# KiCad board cyclic.kicad_pcb (continued)
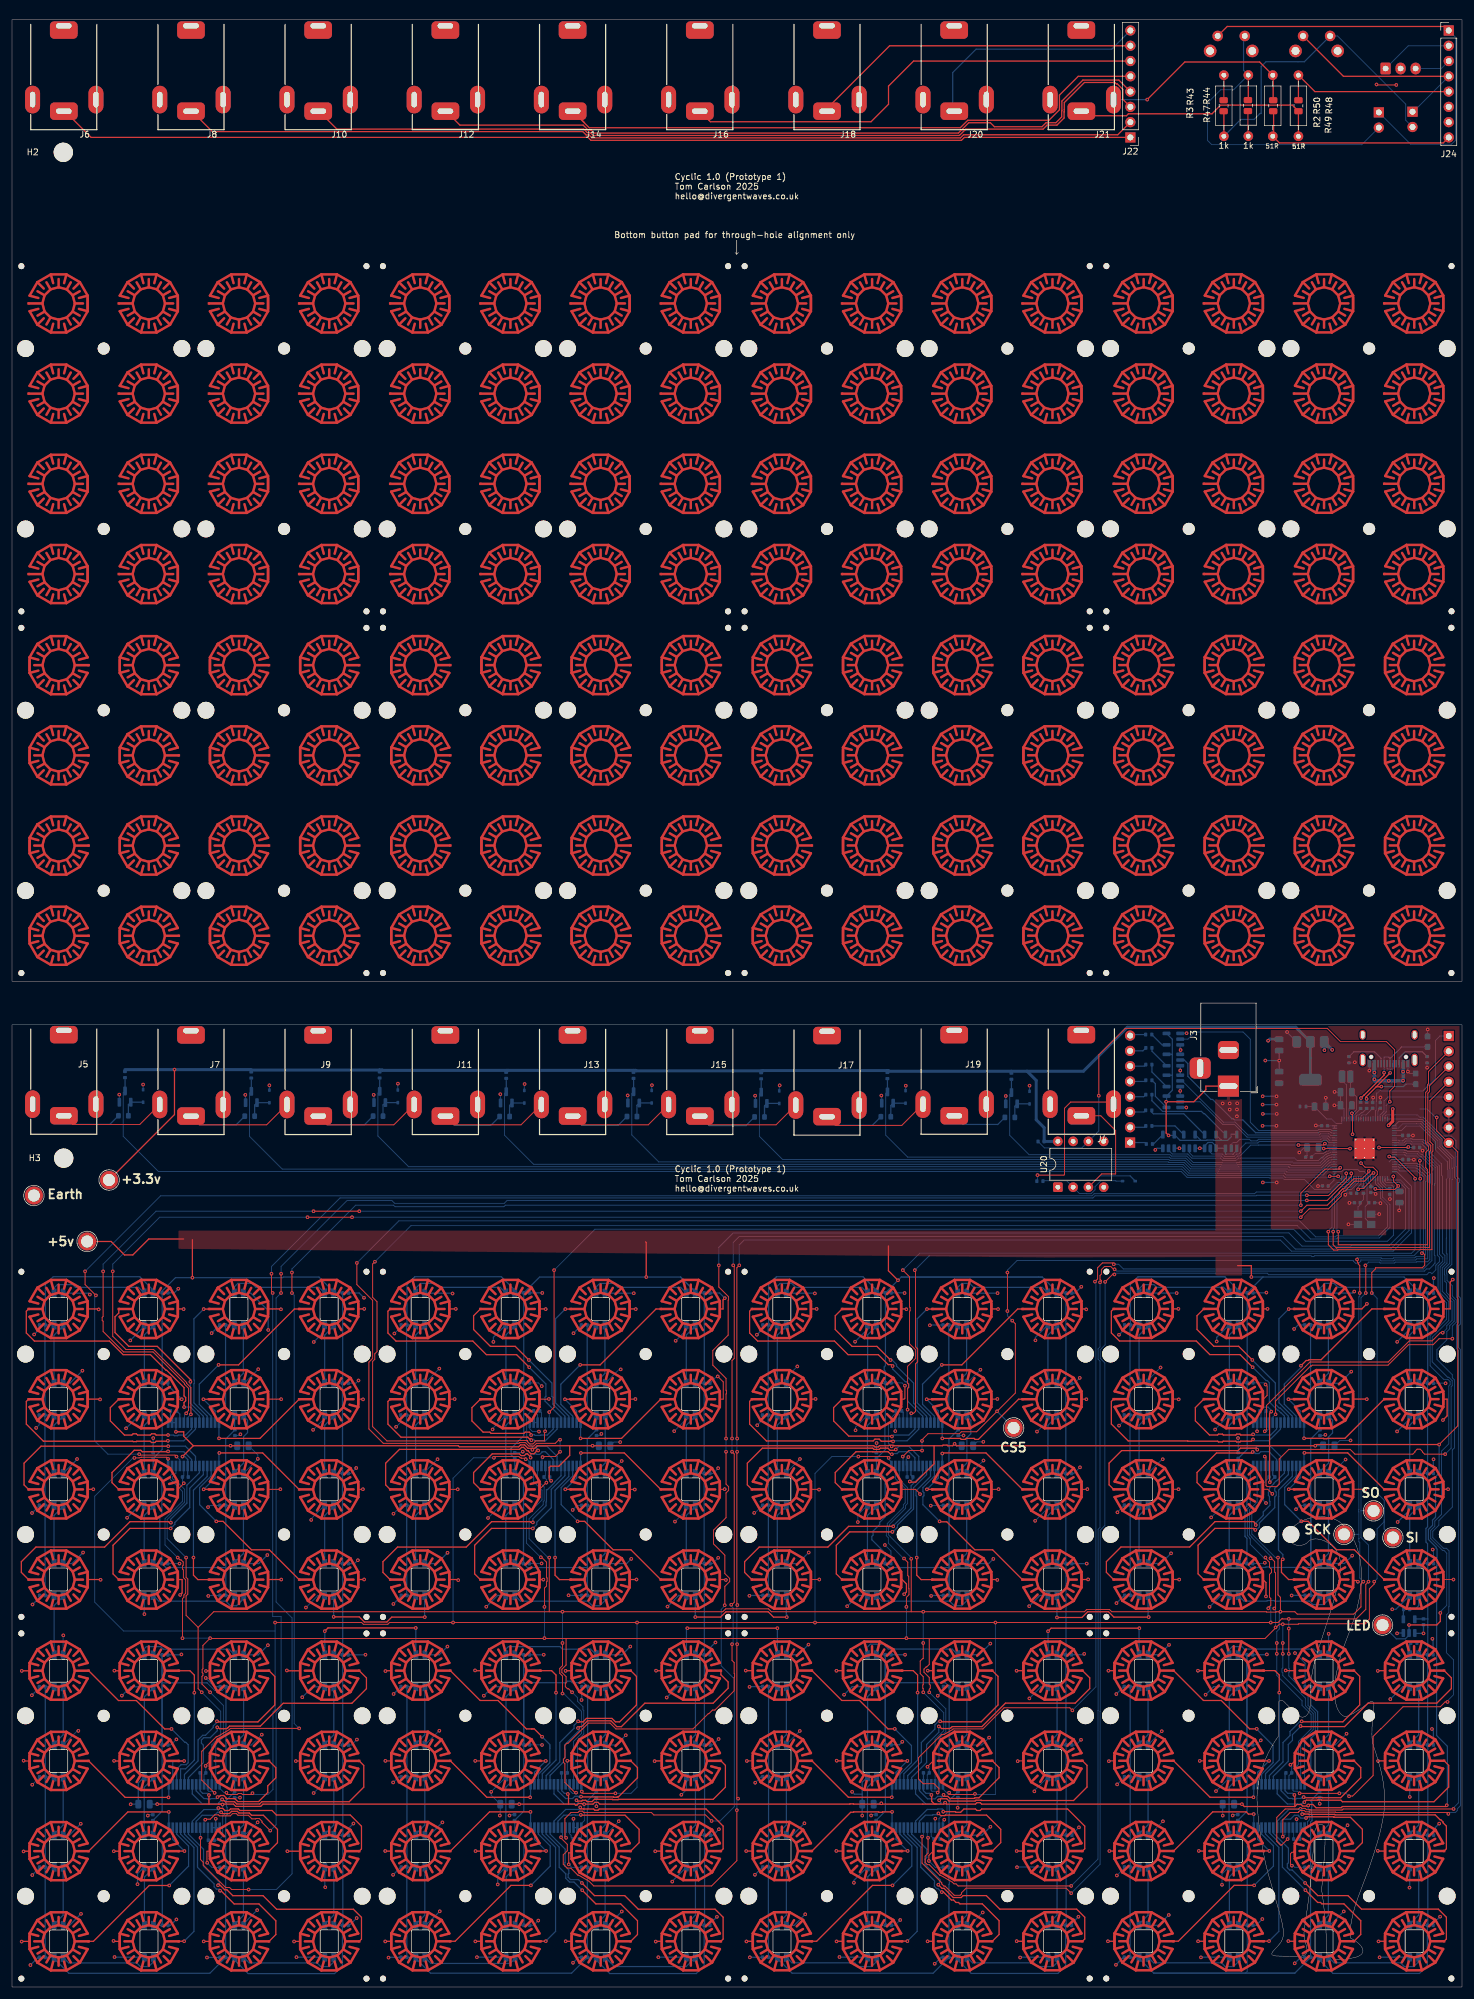
[diagram p0: board, top side]
## Routing (per net, layer and track width the routed paths; a pad name or vN(x,y) marks a point on that pad's centre or on a via; arc(x,y) is an arc through that point) (continued)
/button-grid1/2x2: length 5.5
  Top w0.2: v1(88.78,37.59) 87.91,37.59
  Bottom w0.2: U5.2 86.89,35.7 v1(88.78,37.59)
/button-grid1/2x3: length 5.6
  Top w0.2: v1(88.83,22.62) 87.91,22.62
  Bottom w0.2: v1(88.83,22.62) 86.89,24.55 U5.27
/button-grid1/2x4: length 21.3
  Top w0.2: v1(88.78,7.62) 87.91,7.62
  Bottom w0.2: U5.25 88.19,25.42 90.4,23.21 90.4,9.24 v1(88.78,7.62)
/button-grid1/3x1: length 30.1
  Top w0.2: v1(94.15,44.18) 94.21,44.18 94.3,44.09 94.97,44.09 95.54,44.66 99.78,44.66 100.35,44.09 101.05,44.09 103.85,46.89 103.85,51.65 SW4.6
  Bottom w0.2: v1(94.15,44.18) 93.48,43.5 93.48,43.02 91.1,40.64 91.1,37.41 88.84,35.15 U5.5
/button-grid1/3x2: length 19.8
  Top w0.2: SW4.14 104.03,36.48 104.03,34.79 100.84,31.61 100.68,31.61 100.62,31.55 100.08,31.55 100.02,31.61 94.68,31.61 v1(94.64,31.65)
  Bottom w0.2: v1(94.64,31.65) 94.64,31.63 94.59,31.58 94.27,31.58 94.14,31.71 93.6,31.71 93.23,31.34 92.07,31.34 90.78,32.62 U5.8
/button-grid1/3x3: length 20.4
  Top w0.2: v1(94.61,28.62) 94.66,28.62 94.71,28.56 101.95,28.56 104.3,26.22 104.3,24 SW4.22
  Bottom w0.2: v1(94.61,28.62) 94.61,28.52 94.58,28.49 94.53,28.49 94.45,28.56 93.7,28.56 93.65,28.62 93.12,28.62 93.07,28.56 91.78,28.56 90.78,27.57 U5.21
/button-grid1/3x4: length 28.5
  Top w0.2: v1(94.83,16.09) 97.1,13.81 101.22,13.81 104.03,11.01 104.03,8.73 SW4.30
  Bottom w0.2: v1(94.83,16.09) 93.47,17.45 92.71,17.45 92.1,18.06 92.1,18.82 91,19.91 91,23.26 88.84,25.42 U5.24
/button-grid1/4x1: length 43.5
  Top w0.2: SW4.8 117.9,51.92 119.1,50.72 119.1,49.68 116.61,47.19 105.25,47.19 101.35,43.29 100.58,43.29 99.61,44.26 95.7,44.26 94.73,43.29 94.36,43.29 v1(94.13,43.05)
  Bottom w0.2: U5.6 89.48,35.19 91.7,37.4 91.7,37.88 91.97,38.15 91.97,39.56 91.9,39.63 91.9,40.24 94.33,42.66 94.33,42.96 94.23,43.05 94.13,43.05 v1(94.13,43.05)
/button-grid1/4x2: length 37.8
  Top w0.2: SW4.16 118.65,36.85 118.65,33.24 116.61,31.2 100.84,31.2 100.79,31.15 99.91,31.15 99.86,31.2 96.85,31.2 96.47,30.82 95.65,30.82 95.42,31.05 94.88,31.05 94.75,30.92 94.06,30.92 94.03,30.88 94.01,30.9 94.01,30.92 v1(93.87,31.06)
  Bottom w0.2: v1(93.87,31.06) 93.87,31 94.16,30.71 94.16,30.53 94.05,30.41 91.83,30.41 90.14,32.11 U5.7
/button-grid1/4x3: length 36.2
  Top w0.2: SW4.24 118.27,22.97 118.27,26.74 115.42,29.59 97.65,29.59 97.46,29.4 96.92,29.4 96.73,29.59 95.05,29.59 95.02,29.62 94.62,29.62 94.5,29.74 v1(94.5,29.87)
  Bottom w0.2: v1(94.5,29.87) 94.53,29.84 94.53,29.62 94.41,29.51 92.08,29.51 90.14,27.57 U5.22
/button-grid1/4x4: length 42.3
  Top w0.2: SW4.32 118.27,7.97 118.27,11.59 116.93,12.93 104.16,12.93 101.9,15.19 96.88,15.19 v1(94.78,17.29)
  Bottom w0.2: v1(94.78,17.29) 94.22,17.85 92.88,17.85 92.5,18.23 92.5,18.77 92.6,18.87 92.6,19.47 91.94,20.12 91.94,20.66 92,20.72 92,22.91 89.48,25.42 U5.23
/button-grid1/LED_DOUT: length 23.9
  Top w0.2: v1(127.29,59.66) v1(112.31,59.66)
  Bottom w0.2: 112.17,55.23 112.17,59.52 v1(112.31,59.66) ; 127.29,55.24 v1(127.29,59.66)
/button-grid2/1x1: length 28.9
  Top w0.2: SW5.2 138,47.64 140.96,47.64 145.68,42.92 v1(146.81,42.92)
  Bottom w0.2: v1(146.81,42.92) 149.59,40.14 149.59,37.29 147.67,35.38 U6.3
/button-grid2/1x2: length 18
  Top w0.2: SW5.10 139.1,31.54 v1(146.31,31.54)
  Bottom w0.2: U6.1 146.37,31.6 v1(146.31,31.54)
/button-grid2/1x3: length 18.7
  Top w0.2: SW5.18 139.48,29.05 139.92,29.05 139.99,29.12 144.11,29.12 144.18,29.05 144.72,29.05 144.79,29.12 v1(146.36,29.12)
  Bottom w0.2: v1(146.36,29.12) 146.37,29.11 U6.28
/button-grid2/1x4: length 29
  Top w0.2: SW5.26 133.82,7.6 143.11,16.89 v1(146.44,16.89)
  Bottom w0.2: U6.26 147.67,25.43 149.65,23.45 149.65,20.11 v1(146.44,16.89)
/button-grid2/2x1: length 22
  Top w0.2: v1(150.61,48.94) 150.61,51.87 149.88,52.6 SW5.4
  Bottom w0.2: v1(150.61,48.94) 150.61,37.74 148.32,35.45 U6.4
/button-grid2/2x2: length 5.5
  Top w0.2: v1(148.91,37.59) 148.05,37.59
  Bottom w0.2: v1(148.91,37.59) 147.02,35.7 U6.2
/button-grid2/2x3: length 5.6
  Top w0.2: v1(148.96,22.62) 148.05,22.62
  Bottom w0.2: U6.27 147.02,24.56 v1(148.96,22.62)
/button-grid2/2x4: length 21.3
  Top w0.2: v1(148.91,7.62) 148.05,7.62
  Bottom w0.2: U6.25 148.32,25.43 150.54,23.21 150.54,9.24 v1(148.91,7.62)
/button-grid2/3x1: length 29.8
  Top w0.2: v1(154.35,44.18) 154.41,44.18 154.5,44.09 161.19,44.09 163.99,46.89 163.99,51.65 SW5.6
  Bottom w0.2: v1(154.35,44.18) 154.09,44.18 153.49,43.58 153.49,42.9 151.24,40.64 151.24,37.42 148.97,35.15 U6.5
/button-grid2/3x2: length 20.4
  Top w0.2: SW5.14 164.16,36.48 164.16,34.79 160.82,31.46 160.15,31.46 160.04,31.34 155.98,31.34 155.63,31.7 154.98,31.7 154.93,31.76 v1(154.93,31.95)
  Bottom w0.2: v1(154.93,31.95) 154.93,31.76 154.87,31.7 154.77,31.7 154.67,31.6 154.57,31.6 154.47,31.7 153.93,31.7 153.51,31.28 152.27,31.28 150.92,32.63 U6.8
/button-grid2/3x3: length 20.5
  Top w0.2: SW5.22 164.44,24 164.44,26.22 162.09,28.57 155.21,28.57 155.14,28.5 154.44,28.5 v1(154.07,28.87)
  Bottom w0.2: v1(154.07,28.87) 154.07,28.79 153.93,28.65 153.18,28.65 153.1,28.57 151.91,28.57 150.92,27.58 U6.21
/button-grid2/3x4: length 28.7
  Top w0.2: v1(154.64,15.78) 154.7,15.83 154.86,15.83 156.23,14.47 156.59,14.47 157.01,14.05 157.42,14.05 157.65,13.82 161.36,13.82 164.16,11.02 164.16,8.73 SW5.30
  Bottom w0.2: U6.24 148.97,25.43 151.14,23.26 151.14,19.92 153.43,17.62 153.43,17.3 153.41,17.28 153.41,16.74 153.79,16.36 153.99,16.36 154.43,15.91 154.58,15.91 154.64,15.85 v1(154.64,15.78)
/button-grid2/4x1: length 43
  Top w0.2: SW5.8 179.24,51.4 179.24,49.62 176.81,47.19 165.22,47.19 161.31,43.29 156.36,43.29 156.16,43.09 155.95,42.97 154.59,42.97 154.32,43.25 154.28,43.25 154.19,43.33 v1(154.14,43.33)
  Bottom w0.2: U6.6 149.62,34.83 152.11,37.32 152.11,40.32 154.14,42.35 v1(154.14,43.33)
/button-grid2/4x2: length 37.8
  Top w0.2: v1(154.2,31.05) 154.45,31.3 155.46,31.3 155.84,30.92 160.18,30.92 160.31,31.05 161.19,31.05 161.24,31 176.54,31 178.79,33.24 178.79,36.85 SW5.16
  Bottom w0.2: U6.7 150.27,32.11 151.96,30.42 154.45,30.42 154.5,30.46 154.5,30.62 154.28,30.84 154.28,30.87 154.2,30.95 v1(154.2,31.05)
/button-grid2/4x3: length 36.3
  Top w0.2: SW5.24 178.41,22.98 178.41,26.75 175.56,29.59 161.26,29.59 161.02,29.35 160.48,29.35 160.24,29.59 158.32,29.59 157.77,29.05 156.98,29.05 156.88,29.15 v1(154.87,29.15)
  Bottom w0.2: U6.22 150.27,27.58 152.21,29.52 153.88,29.52 153.95,29.59 154.72,29.59 154.87,29.44 v1(154.87,29.15)
/button-grid2/4x4: length 42.8
  Top w0.2: v1(154.06,17.01) 154.67,16.4 155.02,16.4 156.55,14.87 157.85,14.87 158.18,15.19 162.04,15.19 164.29,12.94 177.07,12.94 178.41,11.6 178.41,7.98 SW5.32
  Bottom w0.2: U6.23 149.62,25.43 152.14,22.91 152.14,21.53 151.84,21.23 151.84,20.37 154.36,17.85 154.36,17.62 154.33,17.59 154.33,17.42 154.24,17.33 154.24,17.23 154.16,17.16 154.16,17.11 v1(154.06,17.01)
/button-grid2/LED_DOUT: length 23.7
  Top w0.2: v1(187.49,59.66) 172.81,59.66 v1(172.31,59.16)
  Bottom w0.2: v1(187.49,59.66) 187.44,59.61 187.44,55.25 ; 172.31,55.23 v1(172.31,59.16)
/button-grid3/1x1: length 29
  Top w0.2: v1(207.01,42.92) 205.84,42.92 201.11,47.65 198.15,47.65 SW6.2
  Bottom w0.2: U7.3 207.82,35.38 209.74,37.3 209.74,40.15 207.01,42.87 v1(207.01,42.92)
/button-grid3/1x2: length 18
  Top w0.2: v1(206.46,31.55) 199.25,31.55 SW6.10
  Bottom w0.2: U7.1 206.52,31.61 v1(206.46,31.55)
/button-grid3/1x3: length 18.4
  Top w0.2: v1(206.51,28.75) 205.63,28.75 205.26,29.12 199.7,29.12 SW6.18
  Bottom w0.2: v1(206.51,28.75) 206.52,28.74 U7.28
/button-grid3/1x4: length 29
  Top w0.2: v1(206.59,16.9) 203.26,16.9 193.97,7.61 SW6.26
  Bottom w0.2: v1(206.59,16.9) 209.8,20.11 209.8,23.46 207.82,25.43 U7.26
/button-grid3/2x1: length 22
  Top w0.2: SW6.4 210.03,52.61 210.76,51.87 v1(210.76,48.95)
  Bottom w0.2: v1(210.76,48.95) 210.76,37.75 208.47,35.46 U7.4
/button-grid3/2x2: length 5.5
  Top w0.2: v1(209.06,37.6) 208.2,37.6
  Bottom w0.2: U7.2 207.17,35.71 v1(209.06,37.6)
/button-grid3/2x3: length 5.6
  Top w0.2: v1(209.11,22.62) 208.2,22.62
  Bottom w0.2: v1(209.11,22.62) 207.17,24.56 U7.27
/button-grid3/2x4: length 21.3
  Top w0.2: v1(209.06,7.62) 208.2,7.62
  Bottom w0.2: v1(209.06,7.62) 210.69,9.25 210.69,23.22 208.47,25.43 U7.25
/button-grid3/3x1: length 30
  Top w0.2: SW6.6 224.14,51.66 224.14,46.9 221.34,44.1 214.5,44.1 214.48,44.11 v1(214.48,44.18)
  Bottom w0.2: 214.72,44.12 214.17,44.12 213.65,43.59 213.65,43.57 212.56,42.48 212.56,41.82 211.39,40.65 211.39,37.42 209.12,35.16 U7.5
/button-grid3/3x2: length 19.7
  Top w0.2: v1(214.82,31.57) 214.93,31.46 217,31.46 217.05,31.51 217.93,31.51 217.98,31.46 220.98,31.46 224.31,34.8 224.31,36.48 SW6.14
  Bottom w0.2: U7.8 211.07,32.63 212.36,31.35 212.95,31.35 213.02,31.28 213.56,31.28 213.63,31.35 214.35,31.35 214.57,31.57 v1(214.82,31.57)
/button-grid3/3x3: length 20.5
  Top w0.2: SW6.22 224.59,24.01 224.59,26.22 222.59,28.22 219.91,28.22 219.88,28.25 219.84,28.25 219.8,28.29 215.38,28.29 215.28,28.19 215.24,28.19 215.21,28.17 v1(215.21,28.1)
  Bottom w0.2: U7.21 211.07,27.58 211.4,27.91 212.64,27.91 213.28,28.55 213.97,28.55 213.97,28.46 214.35,28.08 214.89,28.08 214.96,28.15 215.11,28.15 215.12,28.16 215.15,28.16 215.21,28.1 v1(215.21,28.1)
/button-grid3/3x4: length 28.1
  Top w0.2: v1(215.11,16.1) 217.16,14.05 217.62,14.05 217.85,13.82 221.51,13.82 224.31,11.02 224.31,8.73 SW6.30
  Bottom w0.2: U7.24 209.12,25.61 211.29,23.45 211.29,19.92 v1(215.11,16.1)
/button-grid3/4x1: length 42.8
  Top w0.2: SW6.8 239.39,51.41 239.39,49.62 236.96,47.2 225.54,47.2 221.63,43.29 214.39,43.29 v1(214.3,43.39)
  Bottom w0.2: v1(214.3,43.39) 214.3,43.3 212.96,41.96 212.96,41.02 212.26,40.32 212.26,37.53 209.77,35.04 U7.6
/button-grid3/4x2: length 36.9
  Top w0.2: v1(214.93,30.73) 215.26,31.06 217.17,31.06 217.22,31.11 217.76,31.11 217.81,31.06 221.01,31.06 221.27,30.8 236.49,30.8 238.94,33.25 238.94,36.86 SW6.16
  Bottom w0.2: v1(214.93,30.73) 214.85,30.73 214.54,30.42 212.11,30.42 210.42,32.11 U7.7
/button-grid3/4x3: length 36.2
  Top w0.2: SW6.24 238.56,22.98 238.56,26.75 238.01,27.3 238.01,27.43 237.63,27.81 237.5,27.81 236.69,28.62 220.04,28.62 219.96,28.7 215.63,28.7 215.58,28.75 214.99,28.75 214.87,28.87 214.63,28.87 214.62,28.86 214.62,28.83 214.57,28.79 v1(214.57,28.73)
  Bottom w0.2: v1(214.57,28.73) 214.57,28.72 214.57,28.72 214.54,28.72 214.51,28.75 214.51,29.52 212.36,29.52 210.42,27.58 U7.22
/button-grid3/4x4: length 41.8
  Top w0.2: v1(215.06,17.3) 217.16,15.2 222.19,15.2 224.44,12.94 237.22,12.94 238.56,11.6 238.56,7.98 SW6.32
  Bottom w0.2: v1(215.06,17.3) 212.91,19.45 212.48,19.45 212.1,19.83 212.1,20.47 212.29,20.66 212.29,23.07 209.77,25.59 U7.23
/button-grid3/LED_DOUT: length 2
  Bottom w0.2: R10.1 232.46,57.02 232.46,55.24
/button-grid4/1x1: length 28.9
  Top w0.2: SW7.2 223.25,72.71 220.29,72.71 215.56,77.43 v1(214.44,77.43)
  Bottom w0.2: v1(214.44,77.43) 211.66,80.21 211.66,83.06 213.58,84.98 U8.3
/button-grid4/1x2: length 18
  Top w0.2: SW7.10 222.15,88.81 v1(214.94,88.81)
  Bottom w0.2: U8.1 214.88,88.75 v1(214.94,88.81)
/button-grid4/1x3: length 18.7
  Top w0.2: SW7.18 221.7,91.24 218.76,91.24 218.7,91.17 218.16,91.17 218.1,91.24 v1(214.89,91.24)
  Bottom w0.2: v1(214.89,91.24) 214.88,91.25 U8.28
/button-grid4/1x4: length 29.2
  Top w0.2: v1(214.37,103.31) 215.24,104.18 215.59,104.18 215.72,104.3 217.72,104.3 226.17,112.75 SW7.26
  Bottom w0.2: U8.26 213.58,94.92 211.6,96.9 211.6,100.25 214.44,103.09 214.44,103.24 v1(214.37,103.31)
/button-grid4/2x1: length 21.6
  Top w0.2: SW7.4 212.32,67.75 211.13,68.94 211.13,70.89 v1(211.35,71.12)
  Bottom w0.2: U8.4 212.92,84.9 210.66,82.64 210.66,81.56 210.64,81.54 210.64,72.63 211.35,71.92 v1(211.35,71.12)
/button-grid4/2x2: length 5.5
  Top w0.2: v1(212.34,82.76) 213.2,82.76
  Bottom w0.2: U8.2 214.22,84.65 v1(212.34,82.76)
/button-grid4/2x3: length 5.6
  Top w0.2: v1(212.28,97.74) 213.2,97.74
  Bottom w0.2: U8.27 214.22,95.79 v1(212.28,97.74)
/button-grid4/2x4: length 21.3
  Top w0.2: v1(212.34,112.73) 213.2,112.73
  Bottom w0.2: v1(212.34,112.73) 210.71,111.11 210.71,97.14 212.92,94.92 U8.25
/button-grid4/3x1: length 30.1
  Top w0.2: v1(206.78,76.01) 206.57,76.21 206.49,76.21 206.44,76.26 200.06,76.26 197.26,73.46 197.26,68.7 SW7.6
  Bottom w0.2: U8.5 212.28,85.2 210.01,82.93 210.01,82.52 210.26,82.27 210.26,81.73 210.01,81.48 210.01,79.71 207.45,77.15 207.45,76.5 206.96,76.01 v1(206.78,76.01)
/button-grid4/3x2: length 19.8
  Top w0.2: v1(206.35,88.96) 206.35,88.94 206.2,88.79 200.32,88.79 197.09,85.56 197.09,83.88 SW7.14
  Bottom w0.2: v1(206.35,88.96) 206.43,88.96 206.58,88.81 206.73,88.81 206.84,88.7 207.37,88.7 207.68,89.01 209.04,89.01 210.33,87.73 U8.8
/button-grid4/3x3: length 20.5
  Top w0.2: v1(206.41,91.9) 206.3,91.78 204.36,91.78 204.22,91.93 203.68,91.93 203.54,91.78 201.45,91.78 201.31,91.93 200.65,91.93 200.51,91.78 199.16,91.78 196.81,94.13 196.81,96.35 SW7.22
  Bottom w0.2: U8.21 210.33,92.77 209.34,91.78 206.52,91.78 v1(206.41,91.9)
/button-grid4/3x4: length 28.2
  Top w0.2: SW7.30 197.09,111.62 197.09,109.33 199.89,106.53 204.01,106.53 v1(206.28,104.26)
  Bottom w0.2: v1(206.28,104.26) 210.11,100.43 210.11,96.91 210.74,96.28 210.92,96.28 212.28,94.92 U8.24
/button-grid4/4x1: length 43.5
  Top w0.2: SW7.8 182.01,68.95 182.01,70.74 184.44,73.16 195.86,73.16 200.09,77.38 206.5,77.38 206.65,77.24 206.65,77.04 206.76,76.93 206.76,76.9 v1(206.85,76.82)
  Bottom w0.2: U8.6 211.63,85.45 210.36,84.19 210.29,84.19 209.84,83.74 209.84,83.67 209.14,82.96 209.14,82.44 208.96,82.27 208.96,81.73 209.14,81.56 209.14,80.81 209.21,80.74 209.21,80.11 208.1,79 208.1,78.42 206.85,77.16 v1(206.85,76.82)
/button-grid4/4x2: length 37.5
  Top w0.2: SW7.16 182.46,83.5 182.46,87.11 184.55,89.2 203.92,89.2 204.32,89.6 206.96,89.6 207.1,89.46 v1(207.1,89.35)
  Bottom w0.2: U8.7 210.97,88.25 209.28,89.93 207,89.93 206.93,89.86 206.93,89.67 207.1,89.49 v1(207.1,89.35)
/button-grid4/4x3: length 35.9
  Top w0.2: v1(206.4,91.05) 206.11,90.76 204.35,90.76 204.22,90.63 203.68,90.63 203.55,90.76 201.44,90.76 201.31,90.63 200.65,90.63 200.52,90.76 195.56,90.76 195.52,90.8 185.64,90.8 182.84,93.61 182.84,97.38 SW7.24
  Bottom w0.2: U8.22 210.97,92.77 209.03,90.83 206.62,90.83 v1(206.4,91.05)
/button-grid4/4x4: length 41.6
  Top w0.2: v1(206.34,103.06) 204.23,105.16 199.21,105.16 196.95,107.42 184.18,107.42 182.84,108.76 182.84,112.38 SW7.32
  Bottom w0.2: U8.23 211.63,94.92 211.05,95.5 211,95.5 210.62,95.88 210.52,95.88 209.11,97.28 209.11,100.48 208.75,100.84 208.55,100.84 v1(206.34,103.06)
/button-grid4/LED_DIN: length 3.4
  Bottom w0.2: R9.1 233.35,62.8 233.95,63.4 233.95,65.08
/button-grid4/LED_DOUT: length 23.4
  Top w0.2: v1(189.05,61.5) 183.26,61.5 182.36,62.4 178.9,62.4 177.94,61.44 v1(173.79,61.44)
  Bottom w0.2: 173.79,65.1 v1(173.79,61.44) ; v1(189.05,61.5) 188.94,61.61 188.94,65.12
/button-grid5/1x1: length 29.1
  Top w0.2: SW8.2 163.08,72.7 160.12,72.7 155.47,77.35 154.34,77.35 v1(154.27,77.42)
  Bottom w0.2: v1(154.27,77.42) 151.49,80.2 151.49,81.51 151.66,81.68 151.66,82.22 151.49,82.39 151.49,83.05 153.41,84.96 U9.3
/button-grid5/1x2: length 17.9
  Top w0.2: SW8.10 161.98,88.8 154.81,88.8 v1(154.72,88.71)
  Bottom w0.2: U9.1 154.71,88.7 v1(154.72,88.71)
/button-grid5/1x3: length 18.9
  Top w0.2: v1(154.72,91.22) 157.71,91.22 157.88,91.05 158.52,91.05 158.69,91.22 160.01,91.22 160.18,91.05 160.72,91.05 167.41,97.74 SW8.18
  Bottom w0.2: U9.28 154.71,91.23 v1(154.72,91.22)
/button-grid5/1x4: length 29
  Top w0.2: SW8.26 167.26,112.74 157.97,103.45 v1(154.64,103.45)
  Bottom w0.2: v1(154.64,103.45) 151.43,100.24 151.43,96.89 153.41,94.91 U9.26
/button-grid5/2x1: length 22.1
  Top w0.2: SW8.4 151.2,67.74 150.47,68.47 v1(150.47,71.4)
  Bottom w0.2: U9.4 152.76,84.89 150.36,82.49 150.36,81.68 150.47,81.57 v1(150.47,71.4)
/button-grid5/2x2: length 5.5
  Top w0.2: v1(152.17,82.75) 153.03,82.75
  Bottom w0.2: v1(152.17,82.75) 154.06,84.64 U9.2
/button-grid5/2x3: length 5.6
  Top w0.2: v1(152.12,97.72) 153.03,97.72
  Bottom w0.2: U9.27 154.06,95.78 v1(152.12,97.72)
/button-grid5/2x4: length 21.3
  Top w0.2: v1(152.17,112.72) 153.03,112.72
  Bottom w0.2: v1(152.17,112.72) 150.54,111.1 150.54,97.13 152.76,94.91 U9.25
/button-grid5/3x1: length 29.7
  Top w0.2: SW8.6 137.09,68.69 137.09,73.45 139.33,75.68 v1(146.43,75.68)
  Bottom w0.2: v1(146.43,75.68) 146.51,75.68 147.21,76.38 147.21,76.4 147.26,76.46 147.26,76.81 149.93,79.48 149.93,83.01 152.11,85.19 U9.5
/button-grid5/3x2: length 20.1
  Top w0.2: SW8.14 136.92,83.86 136.92,85.55 140.37,89 143.18,89 143.19,88.99 144.39,88.99 144.4,89 145.71,89 146.12,88.59 v1(146.33,88.59)
  Bottom w0.2: v1(146.33,88.59) 146.44,88.7 147.2,88.7 147.5,89 149.17,89 150.16,88.01 U9.8
/button-grid5/3x3: length 20.4
  Top w0.2: v1(146.34,91.54) 146.28,91.6 139.16,91.6 136.64,94.12 136.64,96.34 SW8.22
  Bottom w0.2: U9.21 150.16,92.76 149.17,91.77 146.58,91.77 v1(146.34,91.54)
/button-grid5/3x4: length 28.2
  Top w0.2: v1(146.12,104.25) 143.84,106.52 139.72,106.52 136.92,109.32 136.92,111.61 SW8.30
  Bottom w0.2: U9.24 152.11,94.91 149.94,97.08 149.94,100.42 147.1,103.26 147.1,103.52 146.38,104.25 v1(146.12,104.25)
/button-grid5/4x1: length 42.7
  Top w0.2: v1(146.56,76.59) 139.14,76.59 135.69,73.15 124.27,73.15 121.84,70.72 121.84,68.94 SW8.8
  Bottom w0.2: U9.6 151.46,85.28 149.53,83.35 149.53,79.64 146.56,76.67 v1(146.56,76.59)
/button-grid5/4x2: length 37.1
  Top w0.2: SW8.16 122.29,83.49 122.29,87.1 124.79,89.6 143.15,89.6 143.35,89.4 144.23,89.4 144.43,89.6 145.68,89.6 146.04,89.24 146.85,89.24 v1(146.99,89.38)
  Bottom w0.2: U9.7 150.81,88.23 149.12,89.92 147.53,89.92 v1(146.99,89.38)
/button-grid5/4x3: length 35.9
  Top w0.2: SW8.24 122.67,97.37 122.67,93.6 125.46,90.8 143.22,90.8 143.52,91.1 144.22,91.1 144.57,90.75 146.14,90.75 146.22,90.82 146.38,90.82 146.44,90.76 146.48,90.76 v1(146.53,90.71)
  Bottom w0.2: U9.22 150.81,92.76 148.87,90.82 146.65,90.82 v1(146.53,90.71)
/button-grid5/4x4: length 42
  Top w0.2: v1(146.45,103.25) 146.22,103.49 145.73,103.49 144.07,105.15 139.04,105.15 136.79,107.41 124.01,107.41 122.67,108.75 122.67,112.37 SW8.32
  Bottom w0.2: U9.23 151.46,94.91 148.94,97.43 148.94,99.51 149.15,99.72 149.15,100.26 148.77,100.64 148.58,100.64 146.45,102.76 v1(146.45,103.25)
/button-grid5/LED_DOUT: length 23.2
  Top w0.2: v1(113.64,61.51) 117.86,61.51 118.74,62.39 125.76,62.39 126.65,61.5 v1(128.85,61.5)
  Bottom w0.2: v1(128.85,61.5) 128.85,61.9 128.77,61.98 128.77,65.11 ; 113.64,65.1 v1(113.64,61.51)
/button-grid6/1x1: length 29
  Top w0.2: SW9.2 102.93,72.7 99.97,72.7 95.24,77.42 v1(94.07,77.42)
  Bottom w0.2: v1(94.07,77.42) 94.07,77.48 91.34,80.2 91.34,83.05 93.26,84.97 U10.3
/button-grid6/1x2: length 18
  Top w0.2: v1(94.61,88.8) 101.83,88.8 SW9.10
  Bottom w0.2: v1(94.61,88.8) 94.55,88.74 94.55,86.64
/button-grid6/1x3: length 18.6
  Top w0.2: SW9.18 101.38,91.23 v1(94.57,91.23)
  Bottom w0.2: 94.55,93.84 94.55,91.24 v1(94.57,91.23)
/button-grid6/1x4: length 29
  Top w0.2: SW9.26 107.1,112.74 97.82,103.45 v1(94.49,103.45)
  Bottom w0.2: U10.26 93.26,94.91 91.28,96.89 91.28,100.24 v1(94.49,103.45)
/button-grid6/2x1: length 22
  Top w0.2: v1(90.32,71.4) 90.32,68.48 91.05,67.74 SW9.4
  Bottom w0.2: U10.4 92.6,84.89 90.32,82.6 v1(90.32,71.4)
/button-grid6/2x2: length 5.5
  Top w0.2: v1(92.02,82.75) 92.88,82.75
  Bottom w0.2: U10.2 93.91,84.64 v1(92.02,82.75)
/button-grid6/2x3: length 5.6
  Top w0.2: v1(91.97,97.73) 92.88,97.73
  Bottom w0.2: U10.27 93.91,95.78 v1(91.97,97.73)
/button-grid6/2x4: length 21.3
  Top w0.2: v1(92.02,112.72) 92.88,112.72
  Bottom w0.2: v1(92.02,112.72) 90.39,111.1 90.39,97.13 92.6,94.91 U10.25
/button-grid6/3x1: length 29.5
  Top w0.2: SW9.6 76.94,68.69 76.94,73.45 79.74,76.25 v1(86.62,76.25)
  Bottom w0.2: U10.5 91.96,85.02 89.69,82.76 89.69,79.7 87.27,77.28 87.27,76.9 v1(86.62,76.25)
/button-grid6/3x2: length 20.9
  Top w0.2: v1(86.25,88.02) 86.25,88.09 86.26,88.09 86.26,88.27 86.11,88.27 85.73,88.65 85.5,88.65 85.21,88.37 84.68,88.37 84.39,88.65 79.87,88.65 76.77,85.55 76.77,83.87 SW9.14
  Bottom w0.2: U10.8 90.01,87.72 88.72,89 88.15,89 88.15,88.94 87.77,88.56 87.23,88.56 87.14,88.65 86.4,88.65 86.26,88.51 86.26,88.09 86.25,88.09 v1(86.25,88.02)
/button-grid6/3x3: length 20.6
  Top w0.2: SW9.22 76.49,96.34 76.49,94.12 78.36,92.26 79.47,92.26 79.68,92.05 85.14,92.05 85.34,92.26 86.03,92.26 86.36,91.93 86.36,91.8 v1(86.34,91.78)
  Bottom w0.2: v1(86.34,91.78) 86.4,91.84 86.88,91.84 87.01,91.71 87.91,91.71 87.97,91.77 89.02,91.77 90.01,92.76 U10.21
/button-grid6/3x4: length 28.1
  Top w0.2: v1(85.97,104.25) 83.69,106.52 79.57,106.52 76.77,109.32 76.77,111.62 SW9.30
  Bottom w0.2: v1(85.97,104.25) 89.79,100.42 89.79,98.2 89.94,98.05 89.94,96.93 91.96,94.91 U10.24
/button-grid6/4x1: length 42.6
  Top w0.2: SW9.8 61.69,68.94 61.69,70.73 64.12,73.15 75.54,73.15 79.77,77.38 86.16,77.38 86.29,77.25 v1(86.62,77.25)
  Bottom w0.2: U10.6 91.3,85.01 90.23,83.94 90.23,83.87 89.06,82.7 88.88,82.7 88.88,80.7 88.82,80.63 88.82,80.02 86.62,77.83 v1(86.62,77.25)
/button-grid6/4x2: length 38.6
  Top w0.2: v1(87.5,89.21) 87.43,89.28 87.29,89.28 87.2,89.19 87.2,89.05 86.82,88.67 86.28,88.67 85.9,89.05 85.9,89.17 85.65,89.17 85.08,89.74 84.75,89.74 84.41,89.4 64.44,89.4 62.14,87.1 62.14,83.49 SW9.16
  Bottom w0.2: U10.7 90.66,88.24 88.97,89.92 87.19,89.92 87.16,89.89 87.16,89.71 87.36,89.51 87.36,89.35 v1(87.5,89.21)
/button-grid6/4x3: length 35.7
  Top w0.2: SW9.24 62.52,97.37 62.52,93.6 64.69,91.42 85.77,91.42 86.07,91.13 86.31,91.13 86.38,91.06 86.38,90.93 v1(86.38,90.93)
  Bottom w0.2: U10.22 90.66,92.76 88.72,90.82 86.97,90.82 86.73,91.07 86.45,91.07 86.38,91 v1(86.38,90.93)
/button-grid6/4x4: length 41.5
  Top w0.2: v1(86.02,103.05) 83.91,105.15 78.89,105.15 76.63,107.41 63.86,107.41 62.52,108.75 62.52,112.37 SW9.32
  Bottom w0.2: v1(86.02,103.05) 88.79,100.27 88.79,98.2 88.64,98.05 88.64,97.42 91.3,94.76 U10.23
/button-grid6/LED_DOUT: length 23
  Top w0.2: v1(68.65,61.5) 63.15,61.5 62.34,60.69 58.6,60.69 57.74,61.55 v1(53.5,61.55)
  Bottom w0.2: 53.5,65.1 v1(53.5,61.55) ; v1(68.65,61.5) 68.62,61.53 68.62,65.11
/button-grid7/1x1: length 28.9
  Top w0.2: SW10.2 42.79,72.7 39.83,72.7 35.1,77.42 v1(33.97,77.42)
  Bottom w0.2: U11.3 33.12,84.97 31.2,83.05 31.2,80.2 v1(33.97,77.42)
/button-grid7/1x2: length 18
  Top w0.2: v1(34.47,88.8) 41.69,88.8 SW10.10
  Bottom w0.2: U11.1 34.41,88.74 v1(34.47,88.8)
/button-grid7/1x3: length 18.6
  Top w0.2: SW10.18 41.24,91.23 v1(34.43,91.23)
  Bottom w0.2: U11.28 34.41,91.24 v1(34.43,91.23)
/button-grid7/1x4: length 29
  Top w0.2: v1(34.35,103.45) 37.68,103.45 46.97,112.74 SW10.26
  Bottom w0.2: U11.26 33.12,94.91 31.14,96.89 31.14,100.24 v1(34.35,103.45)
/button-grid7/2x1: length 22
  Top w0.2: v1(30.18,71.4) 30.18,68.48 30.91,67.74 SW10.4
  Bottom w0.2: v1(30.18,71.4) 30.18,82.6 32.47,84.89 U11.4
/button-grid7/2x2: length 5.5
  Top w0.2: v1(31.88,82.75) 32.74,82.75
  Bottom w0.2: v1(31.88,82.75) 33.77,84.64 33.77,86.64
/button-grid7/2x3: length 5.6
  Top w0.2: v1(31.83,97.73) 32.74,97.73
  Bottom w0.2: v1(31.83,97.73) 33.77,95.78 33.77,93.84
/button-grid7/2x4: length 21.4
  Top w0.2: v1(31.88,112.72) 32.74,112.72
  Bottom w0.2: U11.25 32.47,94.91 30.25,97.13 30.25,100.29 30.32,100.36 30.32,100.9 30.25,100.97 30.25,111.1 v1(31.88,112.72)
/button-grid7/3x1: length 29.5
  Top w0.2: v1(26.39,76.25) 19.6,76.25 16.8,73.45 16.8,68.69 SW10.6
  Bottom w0.2: v1(26.39,76.25) 26.39,76.31 26.63,76.55 26.7,76.55 27.08,76.94 27.08,77.23 29.55,79.7 29.55,82.92 31.81,85.19 U11.5
/button-grid7/3x2: length 19.8
  Top w0.2: v1(25.95,89.07) 25.88,89 21.67,89 21.42,89.25 20.33,89.25 16.62,85.55 16.62,83.87 SW10.14
  Bottom w0.2: v1(25.95,89.07) 26.02,89 28.58,89 29.87,87.72 U11.8
/button-grid7/3x3: length 20.6
  Top w0.2: v1(25.95,91.77) 23.96,91.77 23.75,91.99 23.21,91.99 23,91.77 20.89,91.77 20.68,91.99 20.14,91.99 19.93,91.77 18.7,91.77 16.35,94.12 16.35,96.34 SW10.22
  Bottom w0.2: U11.21 29.87,92.76 28.88,91.77 27.64,91.77 27.53,91.66 27,91.66 26.89,91.77 v1(25.95,91.77)
/button-grid7/3x4: length 27.9
  Top w0.2: SW10.30 17.75,112.07 17.13,111.44 17.13,108.82 19.43,106.52 24.16,106.52 29.73,100.95 29.73,100.69 v1(29.67,100.63)
  Bottom w0.2: U11.24 31.81,94.91 29.65,97.08 29.65,100.42
/button-grid7/4x1: length 42.6
  Top w0.2: v1(26.43,77.2) 26.38,77.2 26.35,77.23 26.17,77.23 26.03,77.38 19.62,77.38 15.4,73.15 3.97,73.15 1.55,70.73 1.55,68.94 SW10.8
  Bottom w0.2: U11.6 31.16,85.51 29.08,83.43 29.08,80.46 26.38,77.76 26.38,77.25 v1(26.43,77.2)
/button-grid7/4x2: length 36.7
  Top w0.2: SW10.16 2,83.49 2,87.1 4.83,89.92 v1(25.97,89.92)
  Bottom w0.2: v1(25.97,89.92) 28.83,89.92 30.52,88.24 U11.7
/button-grid7/4x3: length 35.7
  Top w0.2: v1(25.93,90.82) 25.85,90.75 23.96,90.75 23.74,90.53 23.21,90.53 22.99,90.75 20.74,90.75 20.68,90.69 20.14,90.69 20.08,90.75 5.22,90.75 2.38,93.6 2.38,97.37 SW10.24
  Bottom w0.2: U11.22 30.52,92.76 28.58,90.82 v1(25.93,90.82)
/button-grid7/4x4: length 41.9
  Top w0.2: v1(28.62,96.43) 28.61,96.44 28.61,97.2 28.88,97.47 28.88,98.01 28.61,98.28 28.61,99.66 25.73,102.55 25.62,102.55 23.02,105.15 18.47,105.15 16.21,107.41 3.72,107.41 2.38,108.75 2.38,112.37 SW10.32
  Bottom w0.2: U11.23 31.16,94.93 29.67,96.43 v1(28.62,96.43)
